# Altium PCB Proyecto_0.PcbDoc (part 3 of 3)
Units mil, origin at the board's own origin, x right, y up, seen from the top; angles counter-clockwise.
Board outline 2559.06 x 1771.65 mil, 10 copper layers (TOP, GND[1], VDD[1], Signal[1], GND[2], VDD[2], Signal[2], GND[3], VDD[3], Bottom Layer), stack 79.883 mil thick; 190 components, 259 nets, 1108 pads, 222 vias.
Unrouted connection lines stored in the file: 746.
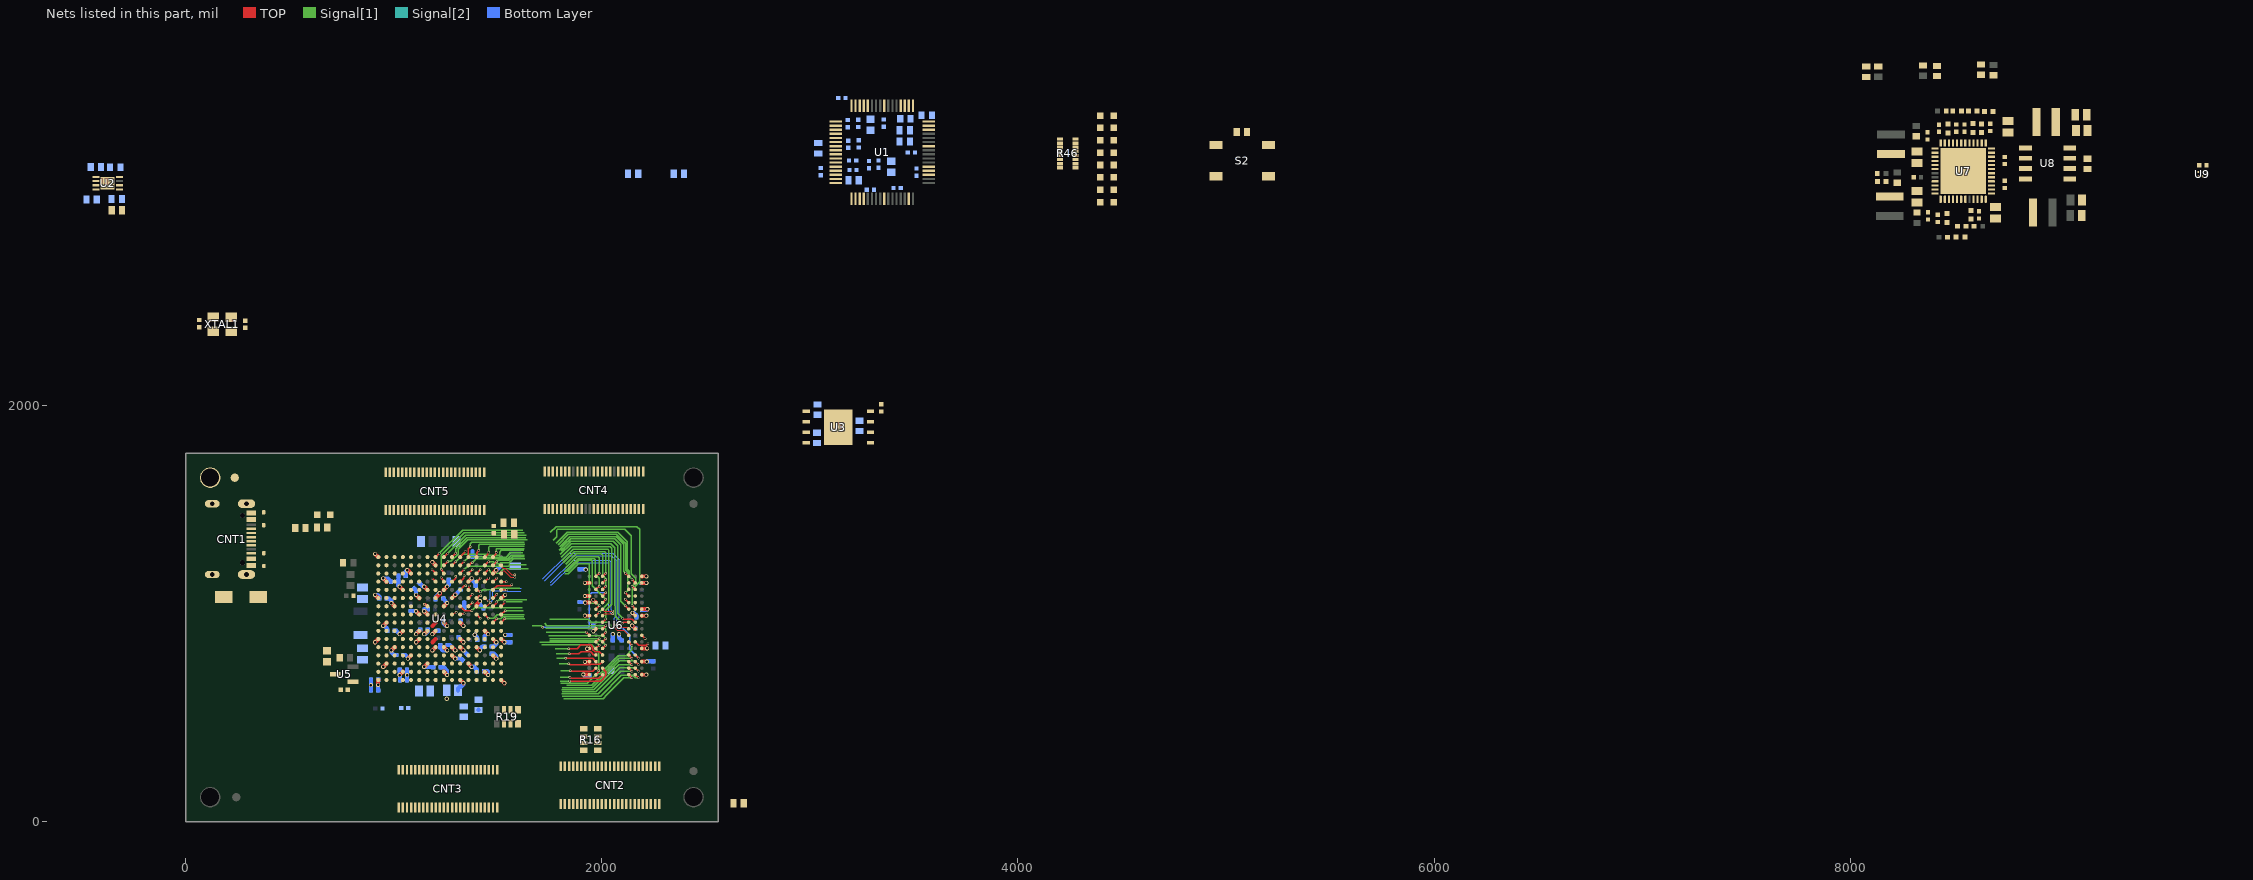
[diagram p11: the nets of this part, all layers, seen from the top]

## Via types
v1: diameter 19.68, hole 11.81, TOP to Bottom Layer, 115 vias
v2: diameter 11.81, hole 7.87, TOP to Bottom Layer, 105 vias
v3: diameter 16.93, hole 11.81, TOP to Bottom Layer, 2 vias

## Nets (pads, with @x,y where several pads share a name; then routed paths per layer and width w, separated by ;. In a path a pad name is that pad's centre, name@x,y a point inside that pad or via, vN(x,y) a via of type N, cw(c..) or ccw(c..) an arc to the next point about the centre after c; other vN are vias at no path point) (continued)
+3V3: C10.2 C11.2 C15.2 C18.2 C19.2 C20.2 C21.2 C22.2 C23.2 C24.2 C25.2 C26.2 C27.2 C28.2 C29.2 C30.2 C31.2 C32.2 C33.2 C34.2 C52.2 C86.2 C87.2 C103.1 C104.2 C105.2 CNT2.7 CNT2.13 CNT2.19 CNT2.25 CNT2.26 CNT2.32 CNT2.38 CNT2.44 CNT3.7 CNT3.13 CNT3.19 CNT3.25 CNT3.26 CNT3.32 CNT3.38 CNT3.44 CNT4.7 CNT4.13 CNT4.19 CNT4.25 CNT4.26 CNT4.32 CNT4.38 CNT4.44 CNT5.7 CNT5.13 CNT5.19 CNT5.25 CNT5.26 CNT5.32 CNT5.38 CNT5.44 L1.1 L2.1 L5.2 R3.2 R4.2 R5.2 R6.2 R11.1 R12.1 R13.1 R14.2 R17.1 R18.1 R30.2 R47.2 U1.20 U1.31 U1.42 U1.50 U1.56 U2.6 U2.8 U3.8 U4.E4 U4.E7 U4.F1 U4.J2 U4.L6 U4.L15 U4.L16 U4.M9 U4.M13 U4.N10 U4.P7 U4.R14 U4.T11 U5.1 U9.A1 U9.A3 | length 774.6
  TOP w20: v1@910.36,1090.62 U4.F1@925.84,1075.14 ; v1(949.78,941.46) U4.J2@965.25,957.03 ; v1(1028.43,1129.99) 1028.52,1129.99 U4.E4@1043.99,1114.51 ; v1@1107.26,862.77 U4.L6@1122.73,878.29 ; v1@1146.58,1129.99 U4.E7@1162.1,1114.51 ; v1@1146.63,744.66 U4.P7@1162.1,760.13 ; v1(1186,823.35) 1201.47,838.87 ; U4.M9@1240.89,838.92 v1(1256.41,823.45) ; U4.N10@1280.26,799.55 v1@1295.73,784.08 ; U4.T11@1319.58,681.44 v1@1335.1,665.97 ; U4.M13@1398.37,838.92 v1@1413.84,823.45 ; U4.R14@1437.69,720.81 v1@1453.21,705.34 ; U4.L15@1477.06,878.29 v1(1492.63,862.82) ; U4.L16@1516.48,878.29 v1(1532,862.82)
  Bottom Layer w20: v1(910.32,1090.62) 923.27,1090.62 930.44,1083.44 930.44,1074.24 C20.2@930.68,1074 ; v1(949.78,941.46) 956.73,941.46 968.44,929.75 968.44,918.24 C25.2@968.68,918 ; C23.2@1021.95,1153.88 C22.2@1022.68,1182 ; C23.2@1022.21,1153.85 1022.18,1153.65 1022.18,1136.23 v1(1028.43,1129.99) ; C30.2@1123.25,1146.25 1123.58,1146.25 1139.85,1129.99 v1(1146.54,1129.99) ; v1(1146.63,744.61) 1148.24,743 C21.2@1189.68,743 ; C29.2@1223.68,849 1223.91,848.76 1223.91,835.16 1235.63,823.45 v1(1256.41,823.45) ; v1(1295.78,784.08) 1324.09,784.08 1330.42,777.75 C24.2@1330.75,777.75 ; C33.2@1309.56,632 1309.56,639.87 1318.26,648.57 1323.44,648.57 1335.15,660.29 v1(1335.15,665.97) ; R17.1@1407,538.39 R17.1@1408,537.39 ; v1(1413.89,823.45) 1413.89,829.72 1425.61,841.44 1435.76,841.44 C31.2@1436,841.68 ; C28.2@1434.32,724 1450.88,724.12 1453.14,721.89 v1(1453.26,705.34) ; C32.2@1470,842.32 1470.24,842.56 1480.92,842.56 1492.63,854.28 v1(1492.63,862.82) ; v1(1532,862.82) 1532.3,863.12 1559.76,863.12 C27.2@1560,863.35
  other v1: 1107.26,862.72
+3V3/+1V8: C45.2 C46.2 C47.2 C48.2 C49.2 C50.2 C51.2 U4.M3 U4.R4 U4.T1 U9.B1 | length 210.3
  TOP w20: v1(925,658) 925,680.56 U4.T1@925.88,681.44 ; v1(989.15,823.35) U4.M3@1004.62,838.92 ; v1@1028.52,705.29 U4.R4@1043.99,720.81
  Bottom Layer w20: C46.2@925.32,631 925.09,631.24 925.09,657.91 v1(925,658) 925.09,658.09 925.09,682.76 C45.2@925.32,683 ; v1(989.15,823.35) 989.15,813.95 1000.87,802.24 1012.44,802.24 C49.2@1012.68,802 ; C48.2@1028.68,731 1028.52,730.84 v1(1028.52,705.24) 1029.44,704.32 1029.44,679.24 C47.2@1029.68,679
+5V: C81.2 C82.2 C83.2 C84.2 CNT2.1 CNT2.50 CNT3.1 CNT3.50 CNT4.1 CNT4.50 CNT5.1 CNT5.50 S1.C U7.4 U7.9 U7.23 U7.24 U7.25 U7.35 U7.36
AD4_N: CNT5.3 U4.A7
AD4_P: CNT5.2 U4.B7
AD5_N: CNT5.6 U4.A4
AD5_P: CNT5.5 U4.A5
AD6_N: CNT5.12 U4.C2
AD6_P: CNT5.11 U4.C3
AD7_N: CNT5.15 U4.B1
AD7_P: CNT5.14 U4.C1
AD12_N: CNT5.48 U4.B5
AD12_P: CNT5.49 U4.B6
AD13_N: CNT5.9 U4.C6
AD13_P: CNT5.8 U4.C7
AD14_N: CNT5.39 U4.A2
AD14_P: CNT5.40 U4.B2
AD15_N: CNT5.36 U4.D1
AD15_P: CNT5.37 U4.E2
ADC_IN_N: C55.1 R21.1 U4.J7
ADC_IN_P: C55.2 R20.1 U4.H8
ADD0: U4.D10 U6.N3 | length 295.8
  TOP w7: U4.D10@1280.21,1153.88 1297.08,1170.75 1297.08,1179.08 v2(1298,1180) ; v2(1842,832) 1881.54,832 1899.09,849.56 1947.33,849.56 1957.06,839.83 1957.06,826.83 1967.39,816.49 1988.56,816.49 U6.N3@2003.52,801.53
  Signal[1] w7: 1776,832 v2(1842,832)
ADD1: U4.C8 U6.P7 | length 433.4
  TOP w7: v2(1184.1,1210.63) U4.C8@1201.47,1193.25 ; U6.P7@2129.5,770.03 v2(2144.98,754.55)
  Signal[1] w7: 1808,634 1961,634 2081.55,754.55 v2(2144.98,754.55)
ADD2: U4.C9 U6.P3 | length 752.9
  TOP w7: v2(1229,1213) 1229.92,1212.08 1229.92,1207.61 1240.84,1196.68 U4.C9@1240.84,1193.25 ; v2(1842,760) 1843.3,760 1849.3,754 1944.99,754 1947,756.02 1989.51,756.02 U6.P3@2003.52,770.03
  Signal[1] w7: v2(1229,1213) 1229,1280 1338,1389 1628.44,1389 ; 1795.78,760.22 v2@1841.78,760.22
ADD3: U4.A8 U6.N2 | length 674
  TOP w7: U4.A8@1201.47,1271.99 1202.25,1271.99 v2(1219.63,1289.37) ; v2(1843,807) 1889.94,807 1900.26,817.32 1945.9,817.32 1955.49,807.73 1955.49,806.02 1959.59,801.92 1971.63,801.92 U6.N2@1972.02,801.53
  Signal[1] w7: v2(1219.63,1289.37) 1331.26,1401 1619.19,1401 ; 1781,807 v2(1843,807)
ADD4: U4.A9 U6.P8 | length 889.7
  TOP w7: U4.A9@1240.84,1271.99 1241.62,1271.99 v2(1259,1289.37) ; U6.P8@2161,770.03 v2(2176.48,754.55)
  Signal[1] w7: v2(1259,1289.37) 1346.63,1377 1637.65,1377 ; 1810,644 1954,644 2083,773 2158.03,773 v2(2176.48,754.55)
ADD5: U4.B9 U6.P2 | length 660.2
  TOP w7: U4.B9@1240.84,1232.62 1241.62,1232.62 v2(1259,1250) ; v2(1827,785) 1957.06,785 U6.P2@1972.02,770.03
  Signal[1] w7: v2(1259,1250) 1259.92,1250.92 1275.22,1250.92 1310,1285.7 1310,1310 1355,1355 1640.86,1355 ; 1783,785 v2(1827,785)
ADD6: U4.A10 U6.R8 | length 850.1
  TOP w7: U4.A10@1280.21,1271.99 1280.21,1273.46 v2(1297.25,1290.49) ; U6.R8@2161,738.54 v2(2176.48,723.06)
  Signal[1] w7: v2(1297.25,1290.49) 1297.25,1311.25 1352,1366 1634.33,1366 ; 1809,625 1971.9,625 2086.9,740 2159.54,740 v2(2176.48,723.06)
ADD7: U4.D11 U6.R2 | length 212.2
  TOP w7: U4.D11@1319.58,1153.88 1337.08,1171.38 1337.08,1181.08 v2(1338,1182) ; v2(1848,725) 1849.3,725 1850.27,724.04 1957.52,724.04 U6.R2@1972.02,738.54
  Signal[1] w7: 1801.78,725.22 v2@1847.78,725.22
ADD8: U4.E13 U6.T8 | length 652.1
  TOP w7: U4.E13@1398.32,1114.51 1401.76,1114.51 1409.35,1106.92 1416.08,1106.92 v2(1417,1106) ; U6.T8@2161,707.04 v2(2176.48,691.56)
  Signal[1] w7: v2(1417,1106) 1418.3,1106 1428.3,1116 1476,1116 1482.23,1122.23 1606.23,1122.23 ; 1811,604 1993.9,604 2093.9,704 2148.74,704 2160.26,692.48 2175.56,692.48 v2(2176.48,691.56)
ADD9: U4.C14 U6.R3 | length 509.6
  TOP w7: U4.C14@1437.69,1193.25 1438.08,1193.25 1455.46,1210.63 v2(1455.85,1210.63) ; v2(1846,676.41) 1846.41,676 1995,676 2020,701 2020,721.16 2003.52,737.64 U6.R3@2003.52,738.54
  Signal[1] w7: v2(1455.85,1210.63) 1472,1194.48 1511.71,1194.48 1515.81,1198.58 1515.81,1203.24 1529.56,1217 1646.12,1217 ; 1799.78,676.22 1845.82,676.22 v2(1846,676.41)
ADD10: U4.A12 U6.L7 | length 785.9
  TOP w7: U4.A12@1358.95,1271.99 1358.95,1311.65 1367,1319.7 v2(1367,1321) ; U6.L7@2129.5,864.52 v2(2144.98,849.04)
  Signal[1] w7: v2(1367,1321) 1367,1336 1375,1344 1628,1344 ; 1802,666 1930.9,666 1975.55,710.66 1991.91,710.66 2080.25,799 2118,799 2144.98,825.98 v2(2144.98,849.04)
ADD11: U4.D8 U6.R7 | length 427.8
  TOP w7: v2(1184.1,1171.26) U4.D8@1201.47,1153.88 ; U6.R7@2129.5,738.54 v2(2144.98,723.06)
  Signal[1] w7: 1808,616 1983.9,616 2090.95,723.06 v2(2144.98,723.06)
ADD12: U4.D9 U6.N7 | length 413.8
  TOP w7: v2(1228.91,1174) 1229.83,1173.08 1229.83,1168.33 1240.84,1157.31 U4.D9@1240.84,1153.88 ; U6.N7@2129.5,801.53 v2(2144.98,786.05)
  Signal[1] w7: 1832,656 1951,656 2081.05,786.05 v2(2144.98,786.05)
ADD13: U4.A13 U6.T3 | length 494.1
  TOP w7: U4.A13@1396.39,1274 1398.64,1276.25 1398.64,1292.33 1409,1302.7 v2(1409,1304) ; v2(1847,695) 1848.3,695 1853.23,690.07 1986.56,690.07 U6.T3@2003.52,707.04
  Signal[1] w7: v2(1409,1304) 1409,1329.9 1413.1,1334 1628.66,1334 ; 1800.78,695.22 v2@1846.78,695.22
ADD14: U4.A14 U6.T7 | length 620.4
  TOP w7: U4.A14@1437.69,1271.99 1438.08,1271.99 1454.93,1288.84 1454.93,1293.49 v2(1455.85,1294.41) ; U6.T7@2129.5,707.04 v2(2144.98,691.56)
  Signal[1] w7: v2(1455.85,1294.41) 1455.85,1318.9 1459.95,1323 1627.42,1323 ; 1816,591 2006,591 2024.78,609.78 2106.56,691.56 v2(2144.98,691.56)
AGND: C37.1 C52.1 C53.1 C54.1 CNT4.36 L4.2 U4.G7 U4.H7 U5.3 | length 122
  TOP w12: v2(1146,1046) 1149.8,1046 1160.02,1035.77 U4.G7@1162.1,1035.77
  TOP w20: v1(1146.63,902.09) 1162.1,917.61 ; v1(1146.86,1011.65) U4.H7@1162.1,996.4
  Bottom Layer w20: v1(1146.63,902.09) 1152.28,902.09 1164,913.81 C54.1@1164,923.68 ; v1(1146.86,1011.65) 1146.86,1021 C37.1@1163.68,1021
BA0: U4.F12 U6.M2 | length 338.2
  TOP w7: U4.F12@1358.95,1075.14 1359.34,1075.14 1376.72,1092.52 v2(1377.11,1092.52) ; U6.M2@1972.02,833.02 v2(1987.5,848.5)
  Signal[1] w7: 1702.12,862 1974.01,862 v2(1987.5,848.5)
BA1: U4.F13 U6.N8 | length 598.3
  TOP w7: U4.F13@1398.32,1075.14 1401.76,1075.14 1411.69,1085.08 1417.08,1085.08 v2(1418,1086) ; U6.N8@2161,801.53 v2(2176.48,786.05)
  Signal[1] w7: 1751,974 1935,974 1949.98,959.02 2029.98,959.02 2043.59,945.41 2043.59,929.41 v2(2044,929)
  Bottom Layer w7: v2(2044,929) 2101,929 2134.58,895.42 2134.58,827.95 v2(2176.48,786.05)
BA2: U4.E16 U6.M3 | length 326
  TOP w7: U4.E16@1516.43,1114.51 v2(1541.88,1114.51) ; U6.M3@2003.52,833.02 v2(2019,848.5)
  Signal[1] w7: 1749.24,870 1997.5,870 v2(2019,848.5)
BVUS: CNT1.A4_B9 CNT1.B4_A9 S3.1
BVUS_PROTECTED: R8.2 S1.A S3.2
C\A\S\: U4.E15 U6.K3 | length 429.1
  TOP w7: U4.E15@1477.06,1114.51 1477.06,1115.41 1496.66,1135 1563,1135 v2(1568,1140) ; U6.K3@2003.52,896.02 v2(2019,911.5)
  Signal[1] w7: 1729.54,930.46 2013.54,930.46 2018.08,925.91 2018.08,912.42 v2(2019,911.5)
C\S\: U4.D16 U6.L2 | length 285.4
  TOP w7: U4.D16@1516.43,1153.88 v2(1541.88,1153.88) ; U6.L2@1972.02,864.52 1972.02,864.72 1987.5,880.2 v2(1987.5,880.41)
  Signal[1] w7: 1750,880 1987.1,880 v2(1987.5,880.41)
CK_N: U4.F14 U6.K7 | length 1043
  TOP w6: U4.F14@1437.69,1075.14 1439.04,1075.14 1453.23,1060.95 v2(1454.58,1060.95) ; v2(2060,944) 2060,934.72 2073.72,921 2104.52,921 U6.K7@2129.5,896.02
  Bottom Layer w6: v2(1454.58,1060.95) 1454.58,1061.96 1463.91,1071.29 1463.91,1109.91 1476.23,1122.23 1550.15,1122.23 1550.38,1122 1612.81,1122 ; 1726,1158 1846.39,1278.39 2046.34,1278.39 2066.51,1258.22 2070,1254.73 2070,987.38 2060,977.38 v2(2060,944)
CK_P: U4.G14 U6.J7 | length 1043.4
  TOP w6: U4.G14@1437.69,1035.77 1440.31,1038.39 1450.41,1038.39 v2(1463.78,1051.76) ; v2(2073,944) 2074.11,942.89 2074.11,939 2079.11,934 2120.52,934 2127.01,927.51 U6.J7@2129.5,927.51
  Bottom Layer w6: v2(1463.78,1051.76) 1471.28,1059.26 1471.28,1060.28 1476.91,1065.9 1476.91,1104.52 1481.62,1109.23 1544.77,1109.23 1545,1109 1610.94,1109 ; 1716.81,1167.19 1841,1291.39 2051.73,1291.39 2055.54,1287.58 2059.34,1283.77 2066.51,1276.61 2083,1260.12 2083,982 2073,972 v2(2073,944)
CKE: U4.H16 U6.K9 | length 135.7
  TOP w7: U4.H16@1516.43,996.4 1517.42,996.4 1535.02,1014 v2(1536,1014) ; U6.K9@2192.5,896.02 v2(2207.98,880.54)
  Signal[1] w7: v2(1536,1014) 1623,1014
COMP1: R32.2 U7.39
COMP2: R36.2 U7.22
COMP3: R39.2 U7.46
COMP4: R42.2 U7.15
CONFIG_TCK: CNT4.30 R19.6 U1.19
CONFIG_TDI: CNT4.21 R19.8 U1.17
CONFIG_TDO: CNT4.20 U1.16 U4.N8
CONFIG_TMS: CNT4.31 R19.7 U1.18
D\D\R\_\R\E\S\E\T\: U4.H13 U6.T2 | length 428.6
  TOP w7: U4.H13@1398.32,996.79 U4.H13@1398.32,996.4 1415.7,979.02 v2(1415.7,978.63) ; U6.T2@1972.02,707.04 1985.02,720.03 1985.02,724.14 v2(1985.94,725.06)
  Signal[1] w7: 1711,850 1951,850 1985.94,815.06 v2(1985.94,725.06)
DONE: CNT4.23 R14.1 R15.2 U4.H10 | length 22
  TOP w7: U4.H10@1280.21,996.4 v2(1300,1006)
DQ0: U4.B12 U6.E3 | length 677.4
  TOP w7: U4.B12@1358.95,1232.62 1362.39,1232.62 1373.84,1244.08 1377.08,1244.08 v2(1378,1245) ; U6.E3@2003.52,1053.5 v2(2019,1068.98)
  Signal[1] w7: v2(1378,1245) 1397.53,1264.53 1547.53,1264.53 1565,1282 1626.81,1282 ; 1820,1204 1837,1204 1889.1,1256.1 1949.9,1256.1 1954,1252 1954,1133.98 v2(2019,1068.98)
DQ1: U4.B14 U6.F7 | length 870.1
  TOP w7: U4.B14@1437.69,1232.62 1438.29,1232.62 1455.26,1249.59 v2(1455.85,1249.59) ; v2(2113.52,1037.98) U6.F7@2129.5,1022
  Signal[1] w7: v2(1455.85,1249.59) 1477.59,1249.59 1488.19,1239 1507,1239 1514,1246 1556,1246 1574,1264 1629,1264 ; 1795.48,1305.52 1822.74,1332.78 1822.74,1333.74 1850,1361 2062,1361 2091,1332 2091,1060.5 v2(2113.52,1037.98)
DQ2: U4.B15 U6.F2 | length 567.4
  TOP w7: U4.B15@1477.06,1232.62 1477.66,1232.62 1494.63,1249.59 v2(1495.22,1249.59) ; U6.F2@1972.02,1022 v2(1987.5,1037.48)
  Signal[1] w7: v2(1495.22,1249.59) 1495.32,1249.59 1501.73,1256 1554,1256 1572,1274 1628,1274 ; 1821,1193 1839,1193 1886,1240 1940.52,1240 1940.52,1056.41 1946.94,1050 1974.98,1050 v2(1987.5,1037.48)
DQ3: U4.B10 U6.F8 | length 1237.4
  TOP w7: U4.B10@1280.21,1232.62 1280.99,1232.62 v2(1298.37,1250) ; v2(2145.52,1037.48) U6.F8@2161,1022
  Signal[1] w7: v2(1298.37,1250) 1332.9,1284.53 1448.18,1284.53 1450.71,1282 1508.64,1282 1508.64,1295.64 1517,1304 1626,1304 ; 1753,1392 1780,1419 2169,1419 2183.03,1404.97 2183.03,1154 2145.52,1116.49 v2(2145.52,1037.48)
DQ4: U4.G16 U6.H3 | length 751.4
  TOP w7: U4.G16@1516.43,1035.77 1516.82,1035.77 1533.67,1052.62 1533.67,1055.49 v2(1534.59,1056.41) ; U6.H3@2003.52,959.01 v2(2019,974.49)
  Signal[1] w7: v2(1534.59,1056.41) 1617.62,1056.41 ; 1805,1271 1856,1322 2040,1322 2047,1315 2047,1045 2019,1017 v2(2019,974.49)
DQ5: U4.J15 U6.H8 | length 888
  TOP w7: U4.J15@1477.06,957.03 1477.06,957.33 1494.83,975.1 v2(1494.83,975.41) ; v2(2101,977) 2105,973 2147.01,973 U6.H8@2161,959.01
  Signal[1] w7: v2(1494.83,975.41) 1514.41,975.41 1525,986 1625,986 ; 1805,1302 1852,1349 2054.47,1349 2077,1326.47 2077,1001 v2(2101,977)
DQ6: U4.J16 U6.G2 | length 708.7
  TOP w7: U4.J16@1516.43,957.03 1516.43,957.33 1534.2,975.1 v2(1534.2,975.41) ; U6.G2@1972.02,990.5 v2(1987.5,1005.98)
  Signal[1] w7: v2(1534.2,975.41) 1629.41,975.41 ; 1810,1256 1863,1309 2029.9,1309 2034,1304.9 2034,1052.48 v2(1987.5,1005.98)
DQ7: U4.H14 U6.H7 | length 907.4
  TOP w7: U4.H14@1437.69,996.79 U4.H14@1437.69,996.4 1455.07,979.02 v2(1455.07,978.63) ; v2(2098,954) 2099.3,954 2104.31,959.01 U6.H7@2129.5,959.01
  Signal[1] w7: v2(1455.07,978.63) 1479.63,978.63 1497,996 1627,996 ; 1801,1285 1853,1337 2043,1337 2062,1318 2062,1037 2065,1034 2065,987 v2(2098,954)
DQ8: U4.G15 U6.D7 | length 808.8
  TOP w7: U4.G15@1477.06,1035.77 1477.45,1035.77 1494.3,1052.62 1494.3,1055.49 v2(1495.22,1056.41) ; v2(2113.76,1100.73) U6.D7@2129.5,1084.99
  Signal[1] w7: v2(1495.22,1056.41) 1506.64,1067.82 1639.18,1067.82 ; 1790,1332 1839,1381 2069,1381 2109.5,1340.5 2114.5,1340.5 2114.5,1209 2124,1199.5 2124,1110.97 v2(2113.76,1100.73)
DQ9: U4.G11 U6.C3 | length 689.6
  TOP w7: U4.G11@1319.58,1035.77 1340.36,1015 v2(1376,1015) ; U6.C3@2003.52,1116.49 v2(2019,1131.97)
  Signal[1] w7: v2(1376,1015) 1389,1028 1618.5,1028 ; 1827,1237 1877,1287 1997,1287 2004,1280 2004,1184 2019,1169 v2(2019,1131.97)
DQ10: U4.E12 U6.C8 | length 731.8
  TOP w7: U4.E12@1358.95,1114.51 1361.38,1116.94 1361.38,1128.08 1365,1131.7 v2(1365,1133) ; v2(2145.52,1131.97) U6.C8@2161,1116.49
  Signal[1] w7: 1766,1352 1783,1369 1783,1401.9 1787.1,1406 2110,1406 2142,1374 2142,1192 2163,1171 2163,1149.45 v2(2145.52,1131.97)
DQ11: U4.B11 U6.C2 | length 648.6
  TOP w7: U4.B11@1319.58,1232.62 1319.97,1232.62 1337.35,1250 v2(1337.74,1250) ; U6.C2@1972.02,1116.49 v2(1987.5,1131.97)
  Signal[1] w7: v2(1337.74,1250) 1362.27,1274.53 1444.04,1274.53 1446.57,1272 1541,1272 1561,1292 1619.68,1292 ; 1827.58,1211.5 1834.27,1211.5 1886.77,1264 1963.9,1264 1968,1259.9 1968,1191 1987.5,1171.5 v2(1987.5,1131.97)
DQ12: U4.E11 U6.A7 | length 540
  TOP w7: U4.E11@1319.58,1114.51 1339,1133.93 v2(1346.07,1133.93) ; v2(2113.76,1195.22) U6.A7@2129.5,1179.48
  Signal[1] w7: 1799,1322 1847,1370 2069,1370 2105,1334 2105,1203.98 v2(2113.76,1195.22)
DQ13: U4.A15 U6.A2 | length 460.1
  TOP w7: U4.A15@1477.06,1271.99 1477.06,1272.73 1491.08,1286.75 1491.08,1293.49 v2(1492,1294.41) ; U6.A2@1972.02,1179.48 v2(1987.5,1194.96)
  Signal[1] w7: v2(1492,1294.41) 1492,1308.9 1496.1,1313 1627.3,1313 ; 1827.2,1221.2 1879.5,1273.5 1983.4,1273.5 1987.5,1269.4 v2(1987.5,1194.96)
DQ14: U4.D14 U6.B8 | length 622.1
  TOP w7: U4.D14@1437.69,1153.88 1438.08,1153.88 1455.46,1171.26 v2(1455.85,1171.26) ; v2(2145.52,1163.46) U6.B8@2161,1147.98
  Signal[1] w7: 1781,1339 1834,1392 2077,1392 2123.5,1345.5 2123.5,1213.5 2133,1204 2133,1177.29 2145.52,1164.77 v2(2145.52,1163.46)
DQ15: U4.D15 U6.A3 | length 375.3
  TOP w7: U4.D15@1477.06,1153.88 1477.45,1153.88 1494.83,1171.26 v2(1495.22,1171.26) ; U6.A3@2003.52,1179.48 v2(2019,1194.96)
  Signal[1] w7: 1814,1244 1868,1298 2014.9,1298 2019,1293.9 v2(2019,1194.96)
E6: CNT4.40 U4.E6
EEPROM_CLK: R5.1 U1.62 U2.2
EEPROM_CS: R6.1 U1.63 U2.1
EEPROM_DATA: R9.2 U1.61 U2.3
Enable_CH1y5: R24.1 R27.2 U7.5 U7.37
Enable_CH3: R25.1 R28.2 U7.48
Enable_CH4: R26.1 R29.2 U7.14
GND: C1.1 C2.1 C3.1 C4.1 C5.1 C6.1 C7.1 C8.1 C9.2 C10.1 C11.1 C12.1 C13.1 C14.1 C15.1 C16.1 C17.1 C18.1 C19.1 C20.1 C21.1 C22.1 C23.1 C24.1 C25.1 C26.1 C27.1 C28.1 C29.1 C30.1 C31.1 C32.1 C33.1 C34.1 C35.1 C36.1 C38.1 C39.1 C40.1 C41.1 C42.1 C43.1 C44.1 C45.1 C46.1 C47.1 C48.1 C49.1 C50.1 C51.1 C56.1 C57.1 C58.1 C59.1 C60.1 C61.1 C62.1 C63.1 C64.1 C65.1 C66.1 C67.1 C68.1 C69.1 C70.1 C71.1 C72.1 C73.1 C74.1 C75.1 C76.1 C77.1 C78.1 C79.1 C80.1 C81.1 C82.1 C83.1 C84.1 C86.1 C87.1 C88.1 C90.1 C91.1 C92.1 C94.1 C95.1 C97.1 C98.1 C99.1 C100.1 C101.1 C102.1 C103.2 C104.1 C105.1 CNT1.A1_B12 CNT1.B1_A12 CNT1.SH1 CNT1.SH2 CNT1.SH3 CNT1.SH4 CNT2.4 CNT2.10 CNT2.16 CNT2.22 CNT2.29 CNT2.35 CNT2.41 CNT2.47 CNT3.4 CNT3.10 CNT3.16 CNT3.22 CNT3.29 CNT3.35 CNT3.41 CNT3.47 CNT4.4 CNT4.10 CNT4.16 CNT4.22 CNT4.29 CNT4.35 CNT4.41 CNT4.47 CNT5.4 CNT5.10 CNT5.16 CNT5.22 CNT5.29 CNT5.35 CNT5.41 CNT5.47 D1.A D2.A D3.C D4.C D5.C D6.C D7.C D8.C D9.C D10.C D11.C L4.1 pad.F@236.22,1653.54 pad.H@118.11,1653.54 R1.2 R2.2 R7.1 R10.1 R23.1 R27.1 R28.1 R29.1 R31.2 R34.2 R35.2 R38.2 R41.2 R44.2 R45.1 R48.2 S2.3 S2.4 U1.1 U1.5 U1.10 U1.11 U1.13 U1.15 U1.25 U1.35 U1.47 U1.51 U1.60 U2.5 U3.4 U3.9 U4.A1 U4.A11 U4.B8 U4.C5 U4.C15 U4.D2 U4.D12 U4.E9 U4.F6 U4.F8 U4.F10 U4.F16 U4.G3 U4.G9 U4.G13 U4.H6 U4.J9 U4.J11 U4.K4 U4.K6 U4.K7 U4.K8 U4.K14 U4.L1 U4.L11 U4.M8 U4.M10 U4.M11 U4.N5 U4.N15 U4.P2 U4.P12 U4.R9 U4.T6 U4.T16 U6.A9 U6.B1 U6.B3 U6.B9 U6.D1 U6.D8 U6.E1 U6.E2 U6.E8 U6.F9 U6.G1 U6.G8 U6.G9 U6.J2 U6.J8 U6.M1 U6.M9 U6.P1 U6.P9 U6.T1 U6.T9 U7.2 U7.11 U7.13 U7.17 U7.18 U7.19 U7.30 U7.38 U7.49 U8.1 U8.3 U9.B2 XTAL1.2 | length 2616.8
  TOP w7: U4.A11@1320.36,1271.99 1320.36,1273.57 1345,1298.2 v2(1345,1299) ; U6.B3@2003.52,1147.98 v2(2019,1163.46)
  TOP w18: U4.F16@1516.89,1075.14 U4.F16@1516.43,1075.14 v1(1535,1090) v1@1534.68,1089.68 ; v1@1911.99,707.25 U6.T1@1940.06,707.25 ; v1(1919,768.5) U6.P1@1938.98,768.5 ; v1(1919,990.51) U6.G1@1940.53,990.5 ; v1(1919,1085) U6.D1@1940.53,1084.99 ; v1(1919,1147.99) U6.B1@1940.53,1147.98 ; v1(1920,1053) 1920.32,1053.32 1940.35,1053.32 U6.E1@1940.53,1053.5 ; v1(1929.17,831.66) 1929.49,831.98 1939.47,831.98 U6.M1@1940.53,833.02 ; v3(1958,1067) 1958.52,1067 U6.E2@1972.02,1053.5 ; v1(1960,915.49) U6.J2@1972.02,927.51 ; v1@2145.6,942.83 U6.J8@2161,927.43 ; v1(2147.6,1003.9) U6.G8@2161,990.5 ; U6.F9@2191.99,1022.17 v1@2219,1022.17 ; U6.T9@2192.5,707.04 v1(2214.02,707.03) ; U6.P9@2192.5,770.03 v1(2216.03,770.03) ; U6.M9@2192.5,833.02 v1(2218,833) ; U6.G9@2192.5,990.5 v1(2214.02,990.5) ; U6.B9@2192.5,1147.98 v1(2214,1148) ; U6.A9@2192.5,1179.48 v1(2214.02,1179.47)
  TOP w20: v1@910.36,1287.47 U4.A1@925.84,1271.99 ; v1@910.41,862.77 U4.L1@925.88,878.29 ; v1(949.69,1169.36) U4.D2@965.21,1153.88 ; v1@949.78,744.66 U4.P2@965.25,760.13 ; v1(989.06,1051.25) U4.G3@1004.62,1035.77 ; v1(1028.52,902.09) U4.K4@1043.99,917.61 ; v1@1067.84,1208.73 U4.C5@1083.32,1193.25 ; v1(1067.89,783.98) U4.N5@1083.36,799.5 ; v1(1107.26,902.09) U4.K6@1122.73,917.61 ; v1@1107.26,1011.88 U4.H6@1122.73,996.4 ; v1(1107.79,1090.04) U4.F6@1122.73,1075.14 U4.F6@1123.31,1074.57 ; v1@1185.95,1248.1 U4.B8@1201.43,1232.62 ; v1(1186,902.09) U4.K8@1201.47,917.61 ; 1186,941.56 1201.47,957.03 ; U4.F8@1201.47,1075.19 1221,1094.71 v1(1221,1099) ; U4.G9@1240.84,1035.77 v1(1256.32,1051.34) ; U4.E9@1240.84,1114.56 v1@1256.32,1130.03 ; U4.R9@1240.89,720.81 v1(1256.41,705.34) ; U4.J9@1240.89,957.03 v1(1256.41,941.56) ; U4.F10@1280.21,1075.19 v1(1295.69,1090.71) ; U4.M10@1280.26,838.92 v1@1295.73,823.45 ; U4.M11@1319.58,838.92 v1@1335.1,823.45 ; U4.L11@1319.58,878.29 v1@1335.1,862.82 ; U4.J11@1319.58,957.03 v1@1335.1,941.56 ; U4.D12@1358.95,1153.88 v1@1374.43,1169.4 ; U4.P12@1358.95,760.18 v1(1374.52,744.71) ; U4.G13@1398.32,1035.77 1398.32,1044.87 v1(1413.8,1060.34) ; U4.K14@1437.69,917.66 v1@1453.21,902.19 ; U4.C15@1477.06,1193.25 v1(1492.54,1208.82) ; U4.N15@1477.06,799.55 v1(1492.63,784.08) ; U4.T16@1516.48,681.44 v1(1532,665.97) ; v1(1911.53,707.72) v1@1911.99,707.25 ; U6.P1@1938.98,768.5 U6.P1@1940.53,770.03 ; v1@2145.6,942.83 v1(2145.6,942.91) ; U6.J8@2161,927.43 U6.J8@2161,927.51 ; v1@2219,1022.17 v1(2219.5,1021.68)
  Bottom Layer w18: C77.1@1893,1056.32 1894.24,1055.09 1917.46,1055.09 1919.54,1053 v1(1920,1053) ; C70.1@1958.68,943 1959.68,942 1959.68,915.81 v1(1960,915.49)
  Bottom Layer w20: C46.1@890.68,631 890.44,631.24 v1(890.44,656.44) 890.44,682.76 C45.1@890.68,683 ; v1(949.69,1169.36) 971.83,1169.36 C23.1@987.3,1153.88 ; C20.1@965.32,1074 965.56,1073.76 977.34,1073.76 989.06,1062.05 v1(989.06,1051.25) ; C25.1@1003.32,918 1003.56,917.76 1012.85,917.76 v1(1028.52,902.09) ; C49.1@1047.32,802 1047.56,801.76 1056.17,801.76 1067.89,790.05 v1(1067.89,783.98) ; C22.1@1057.32,1182 1057.56,1182.24 1057.56,1201.49 v1(1064.8,1208.73) ; C48.1@1063.32,731 1063.56,730.76 1063.56,705.44 v1(1064,705) ; v1@1064.09,704.91 1064.09,679.24 C47.1@1064.32,679 ; C59.1@1081,1013.35 1081.24,1013.12 1105.97,1013.12 v1(1107.21,1011.88) ; C30.1@1098.75,1121.75 1099.08,1121.75 1107.79,1113.05 v1(1107.79,1090.04) ; v1(1107.26,902.09) 1107.26,903.94 C60.1@1127,923.68 ; v1(1186,902.09) 1202.32,918.41 1214.76,918.41 C58.1@1215,918.65 ; C57.1@1200.65,1069 1200.88,1069.24 1200.88,1078.88 v1(1221,1099) ; C21.1@1224.32,743 1224.56,742.76 1241.24,742.76 1256.41,727.59 v1(1256.41,705.34) ; C56.1@1238.68,1073 v1(1256.32,1051.34) ; C68.1@1239.68,965 1239.91,964.76 1239.91,953.27 1251.63,941.56 v1(1256.41,941.56) ; v1(1256.32,1130.08) 1264.76,1138.53 1264.76,1162.44 C43.1@1265,1162.68 ; C29.1@1258.32,849 1258.56,848.76 1270.46,848.76 v1(1295.78,823.45) ; v1(1295.69,1090.71) 1321.42,1116.44 1321.76,1116.44 C62.1@1322,1116.68 ; C64.1@1311.65,887 1335.15,863.49 v1(1335.15,862.82) ; C39.1@1322.68,966 1322.91,965.76 1322.91,953.27 1334.63,941.56 v1(1335.15,941.56) ; v1(1335.15,823.45) 1335.15,822.68 1355.25,802.58 C24.1@1355.25,802.25 ; 1339.09,1056.91 1339.09,1029.24 C66.1@1339.32,1029 ; v1(1374.43,1169.45) 1374.43,1164.85 1394.44,1144.84 1394.44,1133.24 C40.1@1394.68,1133 ; v1(1374.52,744.71) 1386.99,744.71 1398.71,732.99 1398.71,724.97 C28.1@1399.68,724 ; 1378,1301 C42.1@1378.68,1274 ; v1(1389.37,899) 1401.09,887.28 1401.09,875.24 C67.1@1401.32,875 ; v1(1413.8,1060.34) 1413.8,1043.56 C38.1@1431.35,1026 ; C31.1@1436,876.32 1436.24,876.56 1436.24,893.24 1445.19,902.19 v1(1453.26,902.19) ; C32.1@1470,807.68 1481.61,807.43 1492.87,795.69 v1(1492.63,784.08) ; v1(1492.54,1208.82) 1494.14,1208.82 C41.1@1515,1229.68 ; v1(1535,898) C27.1@1560,898 ; C73.1@1893,1213.32 1921.68,1213.32 v1(1923,1212) ; v1(1911.53,707.72) 1915.33,703.91 1940.76,703.91 C75.1@1941,703.68 ; R23.1@2045,729.61 R23.1@2045.39,730 ; C80.1@2053,871.32 v1(2053,902) ; v1(2083,901) 2083,884.32 C79.1@2096,871.32 ; v1(2145.6,942.91) 2159.46,929.06 2162.36,929.06 C74.1@2162.6,928.82 ; v1(2147.6,1003.9) 2154.37,1003.9 2166.09,992.19 2166.09,983.24 C78.1@2166.32,983 ; C76.1@2192.5,1147.98 v1(2214,1148) ; C71.1@2193,1018.68 2193.24,1018.91 2216.73,1018.91 v1(2219.5,1021.68) ; v1(2216.03,770.03) 2217.09,771.09 2246.76,771.09 C72.1@2247,771.32
  other v1: 1255,591 949.78,744.61 910.41,862.72 1185.91,1248.1 910.32,1287.47
IN_Filter_ADC_N: CNT4.18 R21.2
IN_Filter_ADC_P: CNT4.17 R20.2
K5: CNT4.39 U4.K5
L4: CNT3.2 U4.L4
L4_N: CNT5.45 U4.A3
L4_P: CNT5.46 U4.B4
L5: CNT4.28 U4.L5
L6_N: CNT5.42 U4.D5
L6_P: CNT5.43 U4.D6
L11_N: CNT5.18 U4.D3
L11_P: CNT5.17 U4.E3
L12_N: CNT5.33 U4.C4
L12_P: CNT5.34 U4.D4
L13_N: CNT5.21 U4.E5
L13_P: CNT5.20 U4.F5
L14_N: CNT5.30 U4.F3
L14_P: CNT5.31 U4.F4
L15_N: CNT5.24 U4.E1
L15_P: CNT5.23 U4.F2
L16_N: CNT5.27 U4.G4
L16_P: CNT5.28 U4.G5
L17_N: CNT3.36 U4.G1
L17_P: CNT3.37 U4.G2
L18_N: CNT3.18 U4.H4
L18_P: CNT3.17 U4.H5
L19_N: CNT3.33 U4.J4
L19_P: CNT3.34 U4.J5
L20_N: CNT3.21 U4.H1
L20_P: CNT3.20 U4.H2
L21_N: CNT3.30 U4.H3
L21_P: CNT3.31 U4.J3
L22_N: CNT3.24 U4.J1
L22_P: CNT3.23 U4.K1
L23_N: CNT3.27 U4.L2
L23_P: CNT3.28 U4.L3
L24_N: CNT4.12 U4.K2
L24_P: CNT4.11 U4.K3
LDM: U4.C11 U6.E7 | length 357.1
  TOP w7: U4.C11@1319.58,1193.25 1319.97,1193.25 1337.35,1210.63 v2(1337.74,1210.63) ; v2(2113.76,1069.24) U6.E7@2129.5,1053.5
  Signal[1] w7: v2(1337.74,1210.63) 1356.11,1229 1552,1229 1558,1235 1637.15,1235
LDQS_N: U4.C16 U6.G3 | length 717.7
  TOP w6: U4.C16@1516.43,1193.25 1516.43,1196.95 1521.79,1202.31 1521.79,1202.92 1525.3,1206.44 1530.27,1206.44 1562.71,1174 v2(1582,1174) ; U6.G3@2003.52,990.5 2012.77,999.75 v2(2052,999.75)
  Bottom Layer w6: 1753,1138 1760.71,1138 1867.71,1245 2029.29,1245 2032.81,1241.49 2032.81,1013.56 2046.62,999.75 v2(2052,999.75)
LDQS_P: U4.B16 U6.F3 | length 717.7
  TOP w6: U4.B16@1516.43,1232.62 1516.43,1228.92 1521.79,1223.56 1521.79,1222.95 1525.3,1219.44 1535.66,1219.44 1568.09,1187 v2(1582,1187) ; U6.F3@2003.52,1022 2012.77,1012.75 v2(2052,1012.75)
  Bottom Layer w6: 1753,1151 1755.33,1151 1862.33,1258 2034.68,1258 2045.81,1246.87 2045.81,1019.17 2052,1012.98 v2(2052,1012.75)
LED0: CNT4.2 R46.1 U4.K12
LED1: CNT4.3 R46.2 U4.L14
LED2: CNT4.48 R46.3 U4.M14
LED3: CNT4.49 R46.4 U4.K13
LED4: CNT4.6 R46.5 U4.L13
LED5: CNT4.5 R46.6 U4.M12
LED6: CNT4.45 R46.7 U4.M16
LED7: CNT4.46 R46.8 U4.N16
LED_1: D4.A R46.16
LED_2: D5.A R46.15
LED_3: D6.A R46.14
LED_4: D7.A R46.13
LED_5: D8.A R46.12
LED_6: D9.A R46.11
LED_7: D10.A R46.10
LED_8: D11.A R46.9
M1: CNT3.48 U4.M1
M2: CNT3.49 U4.M2
M4: CNT3.3 U4.M4
M6: CNT2.17 U4.M6
M15: CNT2.49 U4.M15
N1: CNT3.46 U4.N1
N2: CNT3.6 U4.N2
N3: CNT3.5 U4.N3
N4: CNT3.42 U4.N4
N5: CNT3.43 U4.M5
N6: CNT2.18 U4.N6
N9: CNT2.37 U4.N9
N11: CNT2.8 U4.N11
N12: CNT2.9 U4.N12
N13: CNT2.46 U4.N13
NetC16_2: C16.2 U1.3 XTAL1.1
NetC17_2: C17.2 U1.2 XTAL1.3
NetC85_1: C85.1 U7.32
NetC85_2: C85.2 U7.33 U7.34 U8.5
NetC88_2: C88.2 R32.1
NetC89_1: C89.1 U7.28
NetC89_2: C89.2 U7.26 U7.27 U8.7
NetC92_2: C92.2 R36.1
NetC93_1: C93.1 U7.1
NetC93_2: C93.2 L7.1 U7.3
NetC95_2: C95.2 R39.1
NetC96_1: C96.1 U7.12
NetC96_2: C96.2 L8.1 U7.10
NetC98_2: C98.2 R42.1
NetC100_2: C100.2 U7.42
NetCNT1_A5: CNT1.A5 R2.1
NetCNT1_B5: CNT1.B5 R1.1
NetD3_A: D3.A R15.1
NetL5_1: L5.1 U8.6
NetL6_1: L6.1 U8.8
NetR3_1: R3.1 U1.14 U1.36
NetR4_1: R4.1 R9.1 U2.4
NetR7_2: R7.2 U1.6
NetR8_1: R8.1 R10.2 U1.46
NetR16_1: R16.1 U4.J13
NetR16_2: R16.2 U4.J14
NetR16_3: R16.3 U4.K15
NetR16_4: R16.4 U4.K16
NetR17_2: R17.2 U4.K10
NetR19_1: R19.1 U4.N7
NetR19_2: R19.2 U4.M7
NetR19_3: R19.3 U4.L7
NetR30_1: R30.1 R31.1 U7.40
NetR33_1: R33.1 R34.1 U7.21
NetR35_1: R35.1 U7.29 U8.2
NetR37_1: R37.1 R38.1 U7.45
NetR40_1: R40.1 R41.1 U7.16
NetR43_1: R43.1 R44.1 U7.6
NetR45_2: R45.2 U7.41
NetR48_1: R48.1 U6.L8 | length 71.2
  TOP w7: U6.L8@2161,864.52 2177.52,848 2212.7,848 2220.7,856 v2(2222,856)
NetU7_31: U7.31 U8.4
ODT: U4.G12 U6.K1 | length 240.2
  TOP w7: U4.G12@1358.95,1035.77 1359.34,1035.77 1376.72,1053.15 v2(1377.11,1053.15) ; v2(1925.62,911.81) U6.K1@1941.1,896.33
  Signal[1] w7: 1732.64,911.81 v2(1925.62,911.81)
P1: CNT3.45 U4.P1
P3: CNT3.9 U4.P3
P4: CNT3.8 U4.P4
P5: CNT4.27 U4.P5
P8: CNT2.34 U4.P8
P9: CNT2.36 U4.P9
P10: CNT2.43 U4.P10
P11: CNT2.42 U4.P11
P13: CNT2.45 U4.P13
P14: CNT2.48 U4.P14
PROGRAM_B: CNT4.24 R18.2 U4.L9 | length 21.9
  TOP w20: 1186,862.77 1201.47,878.24
QSPI_\C\S\: R13.2 U3.1 U4.L12
QSPI_CCLK: U3.6 U4.E8
QSPI_DATA0: R16.8 U3.5
QSPI_DATA1: R16.7 U3.2
QSPI_DATA2: R11.2 R16.6 U3.3
QSPI_DATA3: R12.2 R16.5 U3.7
R1: CNT3.12 U4.R1
R2: CNT3.11 U4.R2
R3: CNT3.40 U4.R3
R5: CNT2.23 U4.R5
R6: CNT2.28 U4.R6
R7: CNT2.27 U4.R7
R8: CNT2.33 U4.R8
R10: CNT2.14 U4.R10
R11: CNT2.15 U4.R11
R12: CNT2.11 U4.R12
R13: CNT2.40 U4.R13
R15: CNT2.2 U4.R15
R16: CNT2.3 U4.R16
R\A\S\: U4.F15 U6.J3 | length 345.4
  TOP w7: U4.F15@1477.06,1075.14 1477.45,1075.14 1494.83,1092.52 v2(1495.22,1092.52) ; U6.J3@2003.52,927.51 v2(2019,942.99)
  Signal[1] w7: 1725,953 1735.01,942.99 v2(2019,942.99)
RESET: CNT4.42 R47.1 S2.1 S2.2 U4.P6
T2: CNT3.39 U4.T2
T3: CNT3.15 U4.T3
T4: CNT3.14 U4.T4
T5: CNT2.24 U4.T5
T7: CNT2.20 U4.T7
T8: CNT2.21 U4.T8
T9: CNT2.31 U4.T9
T10: CNT2.30 U4.T10
T12: CNT2.12 U4.T12
T13: CNT2.39 U4.T13
T14: CNT2.5 U4.T14
T15: CNT2.6 U4.T15
UART_RX: CNT4.9 U1.52 U4.P16
UART_TX: CNT4.8 U1.48 U4.P15
UDM: U4.C12 U6.D3 | length 561.8
  TOP w7: U4.C12@1358.95,1193.25 1359.34,1193.25 1376.72,1210.63 v2(1377.11,1210.63) ; U6.D3@2003.52,1084.99 v2(2019,1100.47)
  Signal[1] w7: 1664.9,941.39 1709.49,941.39 1715.89,935 v2(1716,935)
  Signal[2] w7: v2@1716,933.7 v2(1716,935)
  Bottom Layer w7: v2(1716,935) 1936.09,935 1940.19,939.1 1940.19,1089.19 1951.47,1100.47 v2(2019,1100.47)
UDQS_N: U4.D13 U6.B7 | length 25.7
  TOP w7: U4.D13@1398.32,1153.88 1398.71,1153.88 1416.09,1171.26 v2(1416.48,1171.26) ; U6.B7@2129.24,1148.24 U6.B7@2129.5,1147.98
UDQS_P: U4.C13 U6.C7 | length 25.7
  TOP w7: U4.C13@1398.32,1193.25 1398.71,1193.25 1416.09,1210.63 v2(1416.48,1210.63) ; U6.C7@2129.24,1116.75 U6.C7@2129.5,1116.49
USB_DATA_N: CNT1.A7 CNT1.B7 D1.K U1.7
USB_DATA_P: CNT1.A6 CNT1.B6 D2.K U1.8
VCORE: C9.1 C12.2 C13.2 C14.2 U1.12 U1.37 U1.49 U1.64
VPHY: C1.2 C2.2 C3.2 C4.2 L1.2 U1.4
VPLL: C5.2 C6.2 C7.2 C8.2 L2.2 U1.9
VREG: C102.2 U7.43 U7.44 U7.47
VSelect: CNT4.34 U9.B3
W\E\: U4.H11 U6.L3 | length 322.6
  TOP w7: U4.H11@1319.58,996.4 1323.02,996.4 1327.39,1000.77 1338.77,1000.77 v2(1339,1001) ; U6.L3@2003.52,864.52 v2(2019,880)
  Signal[1] w7: 1745,893 2006,893 v2(2019,880)
pads on no net: CNT1. CNT1.A8 CNT1.B8 R19.4 R19.5 U1.21 U1.22 U1.23 U1.24 U1.26 U1.27 U1.28 U1.29 U1.30 U1.32 U1.33 U1.34 U1.38 U1.39 U1.40 U1.41 U1.43 U1.44 U1.45 U1.53 U1.54 U1.55 U1.57 U1.58 U1.59 U2.7 U4.A6 U4.B3 U4.D7 U4.H12 U6.J1 U6.J9 U6.L1 U6.L9 U6.M7 U7.20
copper on no net: | length 8966.9
  TOP w3.94: 0,0 2559.06,0 2559.06,1771.65 157.48,1771.65 118.11,1771.65 0,1771.65 0,1692.91 0,1614.17 0,0 ; 1819,934 1819,997 1873,997 1873,934 1819,934
  TOP w15: 1004.62,1232.62 1004.62,1233.89
  TOP w18: 1832.24,981.76 v3(1857,957)
  Bottom Layer w20: 2045,695 2045,729.61 2045.39,730
  other v1: 1338,1058 1378,1301

## Polygon pours and split planes (outlines as drawn)
no net on GND[1] (split plane): 2538.96,20.1 20.1,20.1 20.1,1614.17 20.1,1751.56 2538.96,1751.56
no net on VDD[1] (split plane): 2538.96,20.1 20.1,20.1 20.1,1614.17 20.1,1751.56 2538.96,1751.56
no net on GND[2] (split plane): 2538.96,20.1 20.1,20.1 20.1,1614.17 20.1,1751.56 2538.96,1751.56
no net on VDD[2] (split plane): 2538.96,20.1 20.1,20.1 20.1,1614.17 20.1,1751.56 2538.96,1751.56
no net on GND[3] (split plane): 2538.96,20.1 20.1,20.1 20.1,1614.17 20.1,1751.56 2538.96,1751.56
no net on VDD[3] (split plane): 2538.96,20.1 20.1,20.1 20.1,1614.17 20.1,1751.56 2538.96,1751.56

## Other copper
Bottom Layer:
  rectangle net 0V75: 2042.76,820 2113,854
  rectangle net 0V75: 2079,709 2113,854
  rectangle net +1V35: 1509,1256 1617,1312
  rectangle net GND: 1504,1207 1617,1248
  rectangle net GND: 1233,578 1275,661

## Silkscreen, mask and mechanical layers (free items; w line width, h text height)
Mechanical 1:
  lines w4: 886.51,976.72 1220,976.72 ; 1220,632 1220,976.72 ; 1220,1350.73 1220,976.72 ; 1625,975 1220,976.72
Mechanical 13:
  drawing of 741 lines, arcs and shapes, not listed
  text "Layer" at 12310.65,7448.93 h44.48
  text "Name" at 12619.68,7448.93 h44.48
  text "Material" at 13314.06,7448.93 h44.48
  text "Thickness" at 13956.56,7448.93 h44.48
  text "Constant" at 14443.45,7448.93 h44.48
  text "Board Layer Stack" at 14871.05,7448.93 h44.48
  text "Top Overlay" at 12619.68,7359.98 h44.48
  text "Top Solder" at 12619.68,7271.02 h44.48
  text "Solder Resist" at 13314.06,7271.02 h44.48
  text "0,40mil" at 13956.56,7271.02 h44.48
  text "3.5" at 14443.45,7271.02 h44.48
  text "1" at 12310.65,7182.07 h44.48
  text "TOP" at 12619.68,7182.07 h44.48
  text "0,69mil" at 13956.56,7182.07 h44.48
  text "Dielectric 2" at 12619.68,7093.12 h44.48
  text "PP-015" at 13314.06,7093.12 h44.48
  text "4,06mil" at 13956.56,7093.12 h44.48
  text "4.45" at 14443.45,7093.12 h44.48
  text "2" at 12310.65,7004.16 h44.48
  text "GND[1]" at 12619.68,7004.16 h44.48
  text "1,38mil" at 13956.56,7004.16 h44.48
  text "Dielectric 3" at 12619.68,6915.21 h44.48
  text "PP-006" at 13314.06,6915.21 h44.48
  text "9,06mil" at 13956.56,6915.21 h44.48
  text "4.6" at 14443.45,6915.21 h44.48
  text "3" at 12310.65,6826.26 h44.48
  text "VDD[1]" at 12619.68,6826.26 h44.48
  text "1,38mil" at 13956.56,6826.26 h44.48
  text "Dielectric 4" at 12619.68,6737.3 h44.48
  text "PP-023" at 13314.06,6737.3 h44.48
  text "7,72mil" at 13956.56,6737.3 h44.48
  text "4.74" at 14443.45,6737.3 h44.48
  text "4" at 12310.65,6648.35 h44.48
  text "Signal[1]" at 12619.68,6648.35 h44.48
  text "1,38mil" at 13956.56,6648.35 h44.48
  text "Dielectric 5" at 12619.68,6559.4 h44.48
  text "PP-006" at 13314.06,6559.4 h44.48
  text "9,06mil" at 13956.56,6559.4 h44.48
  text "4.6" at 14443.45,6559.4 h44.48
  text "5" at 12310.65,6470.44 h44.48
  text "GND[2]" at 12619.68,6470.44 h44.48
  text "1,38mil" at 13956.56,6470.44 h44.48
  text "Dielectric 1" at 12619.68,6381.49 h44.48
  text "PP-023" at 13314.06,6381.49 h44.48
  text "7,72mil" at 13956.56,6381.49 h44.48
  text "4.74" at 14443.45,6381.49 h44.48
  text "6" at 12310.65,6292.53 h44.48
  text "VDD[2]" at 12619.68,6292.53 h44.48
  text "1,38mil" at 13956.56,6292.53 h44.48
  text "Dielectric 6" at 12619.68,6203.58 h44.48
  text "PP-006" at 13314.06,6203.58 h44.48
  text "9,06mil" at 13956.56,6203.58 h44.48
  text "4.6" at 14443.45,6203.58 h44.48
  text "7" at 12310.65,6114.63 h44.48
  text "Signal[2]" at 12619.68,6114.63 h44.48
  text "1,38mil" at 13956.56,6114.63 h44.48
  text "Dielectric 7" at 12619.68,6025.67 h44.48
  text "PP-023" at 13314.06,6025.67 h44.48
  text "7,72mil" at 13956.56,6025.67 h44.48
  text "4.74" at 14443.45,6025.67 h44.48
  text "8" at 12310.65,5936.72 h44.48
  text "GND[3]" at 12619.68,5936.72 h44.48
  text "1,38mil" at 13956.56,5936.72 h44.48
  text "Dielectric 8" at 12619.68,5847.77 h44.48
  text "PP-006" at 13314.06,5847.77 h44.48
  text "9,06mil" at 13956.56,5847.77 h44.48
  text "4.6" at 14443.45,5847.77 h44.48
  text "9" at 12310.65,5758.81 h44.48
  text "VDD[3]" at 12619.68,5758.81 h44.48
  text "1,38mil" at 13956.56,5758.81 h44.48
  text "Dielectric 9" at 12619.68,5669.86 h44.48
  text "PP-015" at 13314.06,5669.86 h44.48
  text "4,06mil" at 13956.56,5669.86 h44.48
  text "4.45" at 14443.45,5669.86 h44.48
  text "10" at 12310.65,5580.91 h44.48
  text "Bottom Layer" at 12619.68,5580.91 h44.48
  text "0,69mil" at 13956.56,5580.91 h44.48
  text "Bottom Solder" at 12619.68,5491.95 h44.48
  text "Solder Resist" at 13314.06,5491.95 h44.48
  text "0,40mil" at 13956.56,5491.95 h44.48
  text "3.5" at 14443.45,5491.95 h44.48
  text "Bottom Overlay" at 12619.68,5403 h44.48
Drill Drawing:
  circle w10: c10904.03,8888.33 r33.33
  lines w10: 10870.7,8104.99 10904.03,8121.66 10937.37,8104.99 10920.7,8138.33 10937.37,8171.66 10904.03,8154.99 10870.7,8171.66 10887.37,8138.33 10870.7,8104.99 ; 10870.7,8271.66 10887.37,8271.66 10887.37,8254.99 10920.7,8254.99 10920.7,8271.66 10937.37,8271.66 10937.37,8304.99 10920.7,8304.99 10920.7,8321.66 10887.37,8321.66 10887.37,8304.99 10870.7,8304.99 10870.7,8271.66 ; 10870.7,8421.66 10887.37,8421.66 10904.03,8404.99 10920.7,8421.66 10937.37,8421.66 10920.7,8438.33 10937.37,8454.99 10920.7,8454.99 10904.03,8471.66 10887.37,8454.99 10870.7,8454.99 10887.37,8438.33 10870.7,8421.66 ; 10870.7,8621.66 10937.37,8621.66 10904.03,8554.99 10870.7,8621.66 ; 10870.7,8704.99 10937.37,8704.99 10937.37,8771.66 10870.7,8771.66 10870.7,8704.99
  lines w15: 10810.91,8059.99 24069.18,8059.99 ; 10810.91,8959.99 24069.18,8959.99 ; 11361.78,7909.99 11361.78,9109.99 ; 11961.63,7909.99 11961.63,9109.99 ; 13081.3,7909.99 13081.3,9109.99 ; 13587.18,7909.99 13587.18,9109.99 ; 14320.98,7909.99 14320.98,9109.99 ; 15510.63,7909.99 15510.63,9109.99 ; 16100.48,7909.99 16100.48,9109.99 ; 16846.28,7909.99 16846.28,9109.99 ; 18035.93,7909.99 18035.93,9109.99 ; 18889.69,7909.99 18889.69,9109.99 ; 20223.3,7909.99 20223.3,9109.99 ; 21556.91,7909.99 21556.91,9109.99 ; 22666.58,7909.99 22666.58,9109.99 ; 10810.91,7909.99 24069.18,7909.99 24069.18,9109.99 10810.91,9109.99 10810.91,7909.99
  text "Symbol" at 10900.91,9004.99 h72
  text "Count" at 11406.78,9004.99 h72
  text "Hole Size" at 12006.63,9004.99 h72
  text "Plated" at 13126.3,9004.99 h72
  text "Hole Type" at 13632.18,9004.99 h72
  text "Drill Layer Pair" at 14365.98,9004.99 h72
  text "Via/Pad" at 15555.63,9004.99 h72
  text "Pad Shape" at 16145.48,9004.99 h72
  text "Template" at 16891.28,9004.99 h72
  text "Description" at 18080.93,9004.99 h72
  text "Hole Tolerance (+)" at 18934.69,9004.99 h72
  text "Hole Tolerance (-)" at 20268.3,9004.99 h72
  text "Hole Length" at 21601.91,9004.99 h72
  text "Routed Path Length" at 22711.58,9004.99 h72
  text "2" at 11406.78,8854.99 h60
  text "23,62mil (0,600mm)" at 12006.63,8854.99 h60
  text "PTH" at 13126.3,8854.99 h60
  text "Slot" at 13632.18,8854.99 h60
  text "TOP - Bottom Layer" at 14365.98,8854.99 h60
  text "Pad" at 15555.63,8854.99 h60
  text "Rounded" at 16145.48,8854.99 h60
  text "r180_90h60_140r100" at 16891.28,8854.99 h60
  text "55,12mil (1,400mm)" at 21601.91,8854.99 h60
  text "31,50mil (0,800mm)" at 22711.58,8854.99 h60
  text "2" at 11406.78,8704.99 h60
  text "23,62mil (0,600mm)" at 12006.63,8704.99 h60
  text "PTH" at 13126.3,8704.99 h60
  text "Slot" at 13632.18,8704.99 h60
  text "TOP - Bottom Layer" at 14365.98,8704.99 h60
  text "Pad" at 15555.63,8704.99 h60
  text "Rounded" at 16145.48,8704.99 h60
  text "r210_105h60_170r100" at 16891.28,8704.99 h60
  text "66,93mil (1,700mm)" at 21601.91,8704.99 h60
  text "43,31mil (1,100mm)" at 22711.58,8704.99 h60
  text "2" at 11406.78,8554.99 h60
  text "25,59mil (0,650mm)" at 12006.63,8554.99 h60
  text "NPTH" at 13126.3,8554.99 h60
  text "Round" at 13632.18,8554.99 h60
  text "TOP - Bottom Layer" at 14365.98,8554.99 h60
  text "Pad" at 15555.63,8554.99 h60
  text "Rounded" at 16145.48,8554.99 h60
  text "c65hn65" at 16891.28,8554.99 h60
  text "-" at 21601.91,8554.99 h60
  text "-" at 22711.58,8554.99 h60
  text "4" at 11406.78,8404.99 h60
  text "86,61mil (2,200mm)" at 12006.63,8404.99 h60
  text "PTH" at 13126.3,8404.99 h60
  text "Round" at 13632.18,8404.99 h60
  text "TOP - Bottom Layer" at 14365.98,8404.99 h60
  text "Pad" at 15555.63,8404.99 h60
  text "Rounded" at 16145.48,8404.99 h60
  text "c250h220m250" at 16891.28,8404.99 h60
  text "-" at 21601.91,8404.99 h60
  text "-" at 22711.58,8404.99 h60
  text "103" at 11406.78,8254.99 h60
  text "7,87mil (0,200mm)" at 12006.63,8254.99 h60
  text "PTH" at 13126.3,8254.99 h60
  text "Round" at 13632.18,8254.99 h60
  text "TOP - Bottom Layer" at 14365.98,8254.99 h60
  text "Via" at 15555.63,8254.99 h60
  text "Rounded" at 16145.48,8254.99 h60
  text "v30h20" at 16891.28,8254.99 h60
  text "-" at 21601.91,8254.99 h60
  text "-" at 22711.58,8254.99 h60
  text "117" at 11406.78,8104.99 h60
  text "11,81mil (0,300mm)" at 12006.63,8104.99 h60
  text "PTH" at 13126.3,8104.99 h60
  text "Round" at 13632.18,8104.99 h60
  text "TOP - Bottom Layer" at 14365.98,8104.99 h60
  text "Via" at 15555.63,8104.99 h60
  text "Rounded" at 16145.48,8104.99 h60
  text "(Mixed)" at 16891.28,8104.99 h60
  text "-" at 21601.91,8104.99 h60
  text "-" at 22711.58,8104.99 h60
  text "230 Total" at 11406.78,7954.99 h60
  text "Slot definitions :" at 10900.91,7810.02 h60
  text "Routed Path Length" at 11933.6,7810.02 h60
  text "= Calculated from tool start centre position to tool end centre position." at 13036.27,7810.02 h60
  text "Hole Length" at 11933.6,7710.05 h60
  text "= Routed Path Length + Tool Size = Slot length as defined in the PCB layout" at 12626.4,7710.05 h60